# Altium PCB AX7103-2021-0629.PcbDoc (part 1 of 7) (continued)
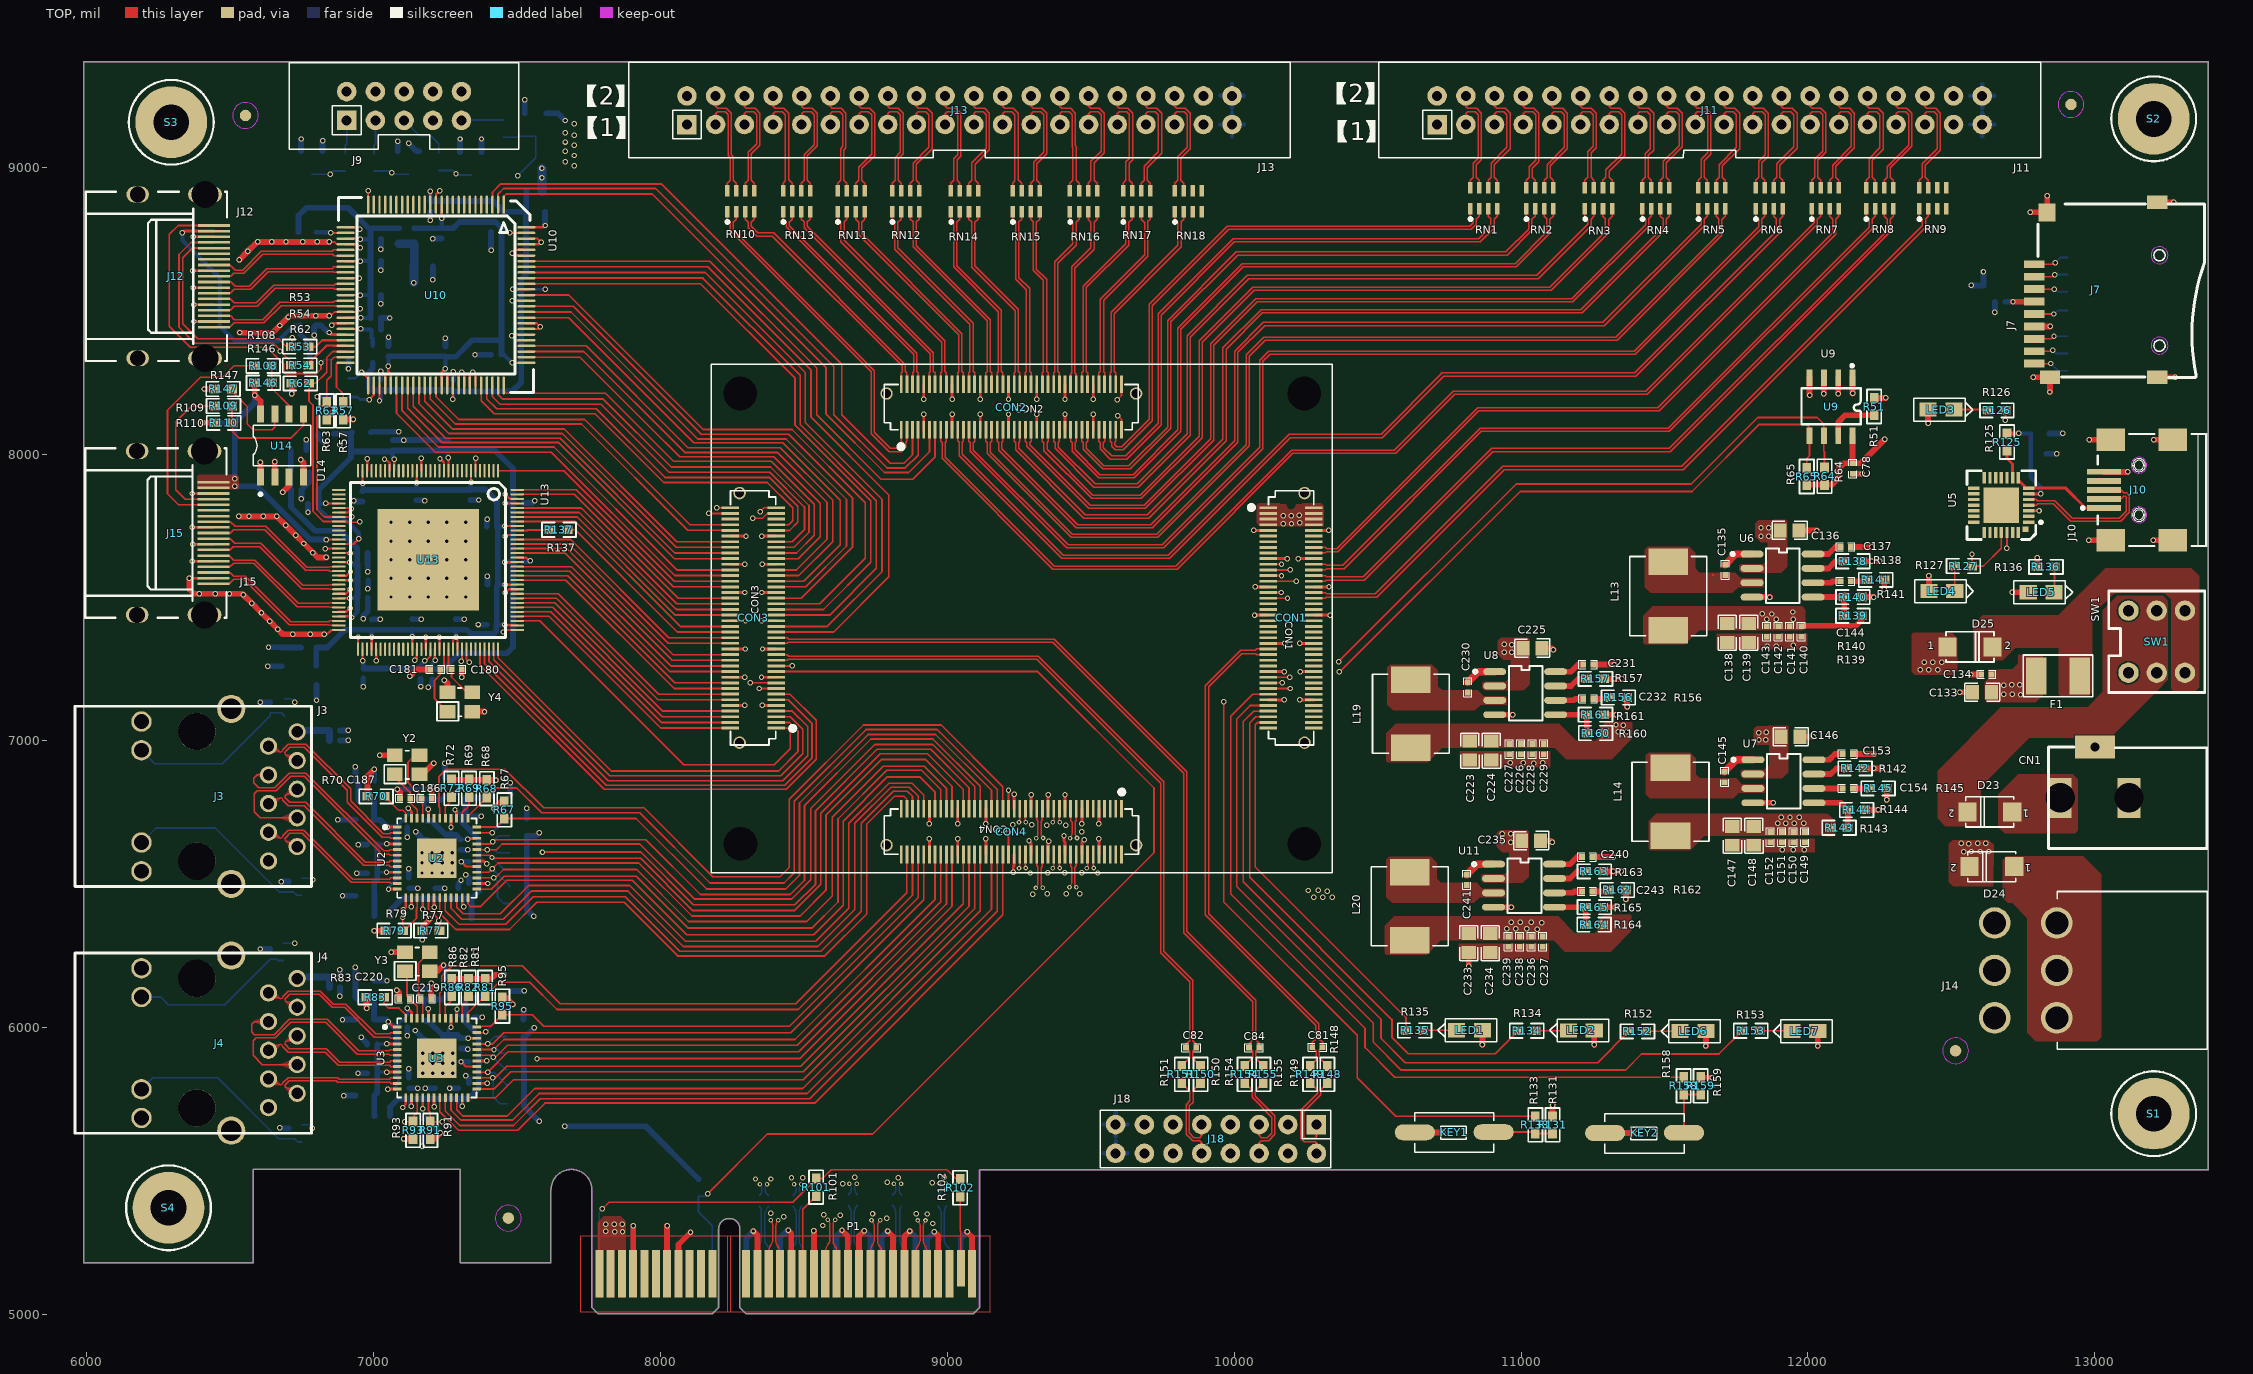
[diagram p0: TOP view]
## Components (designator, comment, footprint, x,y, rotation, side; value= is the part's Value field where it differs from the comment) (continued)
R52 "R_0_R0603_0R" R0603#2 6997.8,8347.46 r90 bottom
R53 "R_0_R0603_33R" R0603#1 6742.8,8374.46 r180 top
R54 "R_0_R0603_33R" R0603#1 6742.8,8309.46 r180 top
R55 "R_0_R0603_10K" R0603#2 6882.8,8199.46 r0 bottom
R56 "R_0_R0603_33R" R0603#2 6882.8,8264.46 r0 bottom
R57 "R_0_R0603_10K" R0603#1 6894.04,8150.85 r270 top
R58 "R_0_R0603_698R" R0603#2 6768.8,8773.32 r0 bottom
R59 "R_0_R0603_10K" R0603#2 6882.8,8329.46 r180 bottom
R60 "R_0_R0603_10K" R0603#2 6748.8,8365.6 r180 bottom
R61 "R_0_R0603_10K" R0603#2 6747.8,8304.1 r180 bottom
R62 "R_0_R0603_4.7K" R0603#1 6745.04,8246.85 r180 top
R63 "R_0_R0603_4.7K" R0603#1 6837.04,8150.85 r270 top
R64 "RESISTOR_R0603_4.7K" R0603#1 12058.04,7922.85 r90 top
R65 "RESISTOR_R0603_4.7K" R0603#1 11996.04,7921.85 r90 top
R66 "R_2_R0603_330R" R0603#2 6750.18,6491.85 r90 bottom
R67 "RESISTOR_R0603_1.5K" R0603#1 7456.04,6759.85 r90 top
R68 "RESISTOR_R0603_1.5K" R0603#1 7395.04,6833.85 r90 top
R69 "RESISTOR_R0603_4.7K" R0603#1 7333.04,6834.85 r270 top
R70 "RESISTOR_R0603_12.1K 1%" R0603#1 7009.04,6806.85 r0 top
R71 "R_2_R0603_330R" R0603#2 6690.18,7116.85 r90 bottom
R72 "RESISTOR_R0603_4.7K" R0603#1 7272.04,6834.85 r90 top
R73 "RESISTOR_R0603_4.7K" R0603#2 7504.04,6433.85 r180 bottom
R74 "RESISTOR_R0603_4.7K" R0603#2 7504.04,6492.85 r180 bottom
R75 "RESISTOR_R0603_4.7K" R0603#2 7504.04,6610.85 r180 bottom
R76 "RESISTOR_R0603_4.7K" R0603#2 7504.04,6551.85 r180 bottom
R77 "RESISTOR_R0603_4.7K" R0603#1 7200.04,6338.85 r180 top
R78 "RESISTOR_R0603_1K" R0603#2 7504.04,6728.85 r0 bottom
R79 "RESISTOR_R0603_1K" R0603#1 7072.04,6338.85 r0 top
R80 "RESISTOR_R0603_4.7K" R0603#2 7504.04,6669.85 r180 bottom
R81 "RESISTOR_R0603_1.5K" R0603#1 7389.04,6140.85 r90 top
R82 "RESISTOR_R0603_4.7K" R0603#1 7331.04,6140.85 r270 top
R83 "RESISTOR_R0603_12.1K 1%" R0603#1 7006.04,6106.85 r0 top
R84 "R_2_R0603_330R" R0603#2 6750.18,5631.85 r90 bottom
R85 "R_2_R0603_330R" R0603#2 6686.04,6264.85 r90 bottom
R86 "RESISTOR_R0603_4.7K" R0603#1 7273.04,6140.85 r90 top
R87 "RESISTOR_R0603_4.7K" R0603#2 7495.04,5794.85 r180 bottom
R88 "RESISTOR_R0603_4.7K" R0603#2 7495.04,5735.85 r180 bottom
R89 "RESISTOR_R0603_4.7K" R0603#2 7495.04,5853.85 r180 bottom
R90 "RESISTOR_R0603_4.7K" R0603#2 7494.04,5911.85 r180 bottom
R91 "RESISTOR_R0603_4.7K" R0603#1 7198.04,5642.85 r270 top
R92 "RESISTOR_R0603_1K" R0603#2 7493.04,6027.85 r0 bottom
R93 "RESISTOR_R0603_1K" R0603#1 7138.04,5642.85 r90 top
R94 "RESISTOR_R0603_4.7K" R0603#2 7493.04,5969.85 r180 bottom
R95 "RESISTOR_R0603_1.5K" R0603#1 7449.04,6075.85 r90 top
R101 "R_R0603_0R" R0603#1 8543.04,5444.85 r270 top
R102 "R_R0603_0R" R0603#1 9045.04,5442.85 r270 top
R103 "R_R0603_4.7K" R0603#2 8133.18,5442.85 r90 bottom
R104 "RESISTOR_R0603_10K" R0603#2 12935.04,8290.85 r180 bottom
R105 "RESISTOR_R0603_10K" R0603#2 12935.04,8410.85 r180 bottom
R106 "RESISTOR_R0603_10K" R0603#2 12935.04,8625.85 r180 bottom
R107 "RESISTOR_R0603_10K" R0603#2 12935.04,8685.85 r180 bottom
R108 "R_R0603_33R" R0603#1 6615.04,8307.85 r180 top
R109 "R_R0603_33R" R0603#1 6477.04,8167.85 r180 top
R110 "R_R0603_4.7K" R0603#1 6478.04,8108.85 r0 top
R111 "RESISTOR_R0603_10K" R0603#2 12935.04,8565.85 r180 bottom
R112 "RESISTOR_R0603_10K" R0603#2 12935.04,8350.85 r180 bottom
R113 "RESISTOR_R0603_10K" R0603#2 12935.04,8500.85 r180 bottom
R121 "RESISTOR_R0603_33R" R0603#2 6902.04,9016.85 r90 bottom
R122 "RESISTOR_R0603_33R" R0603#2 7002.04,9016.85 r90 bottom
R123 "RESISTOR_R0603_33R" R0603#2 7228.04,9018.85 r90 bottom
R124 "RESISTOR_R0603_33R" R0603#2 7452.04,9134.85 r90 bottom
R125 "RESISTOR_R0603_10K" R0603#1 12694.25,8042.18 r90 top
R126 "RESISTOR_R0603_510R" R0603#1 12658.55,8152.76 r180 top
R127 "RESISTOR_R0603_510R" R0603#1 12542.01,7609.98 r180 top
R131 "RESISTOR_R0603_10K" R0603#1 11110.04,5661.85 r90 top
R133 "RESISTOR_R0603_1K" R0603#1 11050.04,5661.85 r90 top
R134 "RESISTOR_R0603_220R" R0603#1 11020.04,5989.85 r0 top
R135 "RESISTOR_R0603_220R" R0603#1 10629.04,5990.85 r0 top
R136 "RESISTOR_R0603_220R" R0603#1 12829.88,7606.86 r0 top
R137 "R_R0603_33R" R0603#1 7646.54,7736.35 r180 top
R138 "RESISTOR_R0603_47K" R0603#1 12156.6,7626.62 r180 top
R139 "RESISTOR_R0603_47K" R0603#1 12156.6,7436.62 r180 top
R140 "RESISTOR_R0603_10K/1%" R0603#1 12156.6,7501.62 r0 top
R141 "RESISTOR_R0603_2.2K" R0603#1 12236.6,7561.62 r0 top
R142 "RESISTOR_R0603_47K" R0603#1 12164.6,6904.62 r180 top
R143 "RESISTOR_R0603_26.1K/1%" R0603#1 12108.6,6697.62 r0 top
R144 "RESISTOR_R0603_10K/1%" R0603#1 12169.6,6759.62 r0 top
R145 "RESISTOR_R0603_2.2K" R0603#1 12244.6,6834.62 r0 top
R146 "R_R0603_4.7K" R0603#1 6616.04,8248.85 r0 top
R147 "R_R0603_10K" R0603#1 6476.04,8226.85 r0 top
R148 "R_R0603_49.9" R0603#1 10325.04,5837.85 r90 top
R149 "R_R0603_49.9" R0603#1 10265.04,5837.85 r90 top
R150 "R_R0603_49.9" R0603#1 9883.04,5837.85 r90 top
R151 "R_R0603_49.9" R0603#1 9818.04,5837.85 r90 top
R152 "RESISTOR_R0603_220R" R0603#1 11406.04,5987.85 r0 top
R153 "RESISTOR_R0603_220R" R0603#1 11801.04,5989.85 r0 top
R154 "R_R0603_49.9" R0603#1 10037.04,5837.85 r90 top
R155 "R_R0603_49.9" R0603#1 10102.04,5837.85 r90 top
R156 "RESISTOR_R0603_2.2K" R0603#1 11339.6,7151.62 r0 top
R157 "RESISTOR_R0603_47K" R0603#1 11259.6,7216.62 r180 top
R158 "RESISTOR_R0603_1K" R0603#1 11567.04,5797.85 r90 top
R159 "RESISTOR_R0603_10K" R0603#1 11626.04,5797.85 r90 top
R160 "RESISTOR_R0603_9.53K/1%" R0603#1 11260.04,7027.85 r180 top
R161 "RESISTOR_R0603_10K/1%" R0603#1 11259.6,7091.62 r0 top
R162 "RESISTOR_R0603_2.2K" R0603#1 11335.6,6480.62 r0 top
R163 "RESISTOR_R0603_47K" R0603#1 11255.6,6545.62 r180 top
R164 "RESISTOR_R0603_3.09K/1%" R0603#1 11255.04,6359.85 r180 top
R165 "RESISTOR_R0603_10K/1%" R0603#1 11255.6,6420.62 r0 top
RN1 "RESARR_IS_4/SM_RN-8P_33R" RN-8P 10870.04,8891.85 r90 top
RN2 "RESARR_IS_4/SM_RN-8P_33R" RN-8P 11065.04,8891.85 r90 top
RN3 "RESARR_IS_4/SM_RN-8P_33R" RN-8P 11270.04,8891.85 r90 top
RN4 "RESARR_IS_4/SM_RN-8P_33R" RN-8P 11470.04,8891.85 r90 top
RN5 "RESARR_IS_4/SM_RN-8P_33R" RN-8P 11665.04,8891.85 r90 top
RN6 "RESARR_IS_4/SM_RN-8P_33R" RN-8P 11865.04,8891.85 r90 top
RN7 "RESARR_IS_4/SM_RN-8P_33R" RN-8P 12060.04,8891.85 r90 top
RN8 "RESARR_IS_4/SM_RN-8P_33R" RN-8P 12250.04,8891.85 r90 top
RN9 "RESARR_IS_4/SM_RN-8P_33R" RN-8P 12435.04,8891.85 r90 top
RN10 "RESARR_IS_4/SM_RN-8P_33R" RN-8P 8280.04,8881.85 r90 top
RN11 "RESARR_IS_4/SM_RN-8P_33R" RN-8P 8665.04,8881.85 r90 top
RN12 "RESARR_IS_4/SM_RN-8P_33R" RN-8P 8855.04,8881.85 r90 top
RN13 "RESARR_IS_4/SM_RN-8P_33R" RN-8P 8475.04,8881.85 r90 top
RN14 "RESARR_IS_4/SM_RN-8P_33R" RN-8P 9060.04,8881.85 r90 top
RN15 "RESARR_IS_4/SM_RN-8P_33R" RN-8P 9275.04,8881.85 r90 top
RN16 "RESARR_IS_4/SM_RN-8P_33R" RN-8P 9475.04,8881.85 r90 top
RN17 "RESARR_IS_4/SM_RN-8P_33R" RN-8P 9660.04,8881.85 r90 top
RN18 "RESARR_IS_4/SM_RN-8P_33R" RN-8P 9840.04,8881.85 r90 top
S1 "SCREW_0_MH_250H125_SCREW_2.9" MH_250H125 13205.55,5700.85 r0 top
S2 "SCREW_0_MH_250H125_SCREW_2.9" MH_250H125 13205.55,9168.7 r0 top
S3 "SCREW_0_MH_250H125_SCREW_2.9" MH_250H125 6295.04,9156.85 r0 top
S4 "SCREW_0_MH_250H125_SCREW_2.9" MH_250H125 6285.32,5372.79 r0 top
SW1 "SENS59150-SPST_1_POWER_SW_POWER" POWER_SW 13215.85,7346.09 r90 top
U2 "KS8995M_4_QFN_7X7_KSZ9031RNX" QFN_7X7 7220.97,6591.83 r270 top
U3 "KS8995M_4_QFN_7X7_KSZ9031RNX" QFN_7X7 7220.97,5894.83 r270 top
U5 "CP2102_2_QFN-28_CP2102-GM" QFN-28 12674.25,7822.18 r180 top
U6 "MP2305_MP1482-SOIC8_MP1482DS" MP1482-SOIC8 11911.6,7576.62 r270 top
U7 "MP2305_MP1482-SOIC8_MP1482DS" MP1482-SOIC8 11914.6,6859.62 r270 top
U8 "MP2305_MP1482-SOIC8_MP1482DS" MP1482-SOIC8 11014.6,7166.62 r270 top
U9 "ATSHA204_0_8S1_SOIC8_24LC04" 8S1_SOIC8 12080.42,8165.67 r0 top
U10 "SII9134_0_QFP-100_SII9134" QFP-100 7217.8,8554.46 r270 top
U11 "MP2305_MP1482-SOIC8_MP1482DS" MP1482-SOIC8 11010.6,6495.62 r270 top
U13 "SII9013/9011_5_QFP-128HPAD_SII9" QFP-128HPAD 7190.38,7631.31 r270 top
U14 "M24CO2 PDIP8_SO8_24C02" SO8 6680.04,8029.85 r90 top
Y2 "X3_0_SX2-1205_25MHZ" SX2-1205 7117.04,6916.85 r0 top
Y3 "X3_0_SX2-1205_25MHZ" SX2-1205 7153.04,6230.85 r0 top
Y4 "X3_0_SX2-1205_27MHZ" SX2-1205 7301.04,7135.85 r0 top

## Footprints (in the part's own frame and the unit in brackets; to place one, negate y for a bottom-side part, rotate by r counter-clockwise, add the part's x,y. Pads: shape width x height; smd on the part's side, far side on the other; paste and mask are expansions set on the pad)
8S1_SOIC8 [mil] "8S1_SOIC8"
  rect 20.4x57.4 smd: 1(75.29,100.96) 2(25.29,100.96) 3(-24.71,100.96) 4(-74.71,100.96) 5(-74.71,-102.18) 6(-24.71,-102.18) 7(25.29,-102.18) 8(75.29,-102.18)
  silkscreen extent -103,-61 104,147, body extent -99,-133 99,133, height 150
AXK680337YG [mil] "AXK680337YG"
  rect 9.84x61.02 smd: 1(-383.86,-79.72) 2(-383.86,79.72) 3(-364.17,-79.72) 4(-364.17,79.72) 5(-344.49,-79.72) 6(-344.49,79.72) 7(-324.8,-79.72) 8(-324.8,79.72) 9(-305.12,-79.72) 10(-305.12,79.72) 11(-285.43,-79.72) 12(-285.43,79.72) 13(-265.75,-79.72) 14(-265.75,79.72) 15(-246.06,-79.72) 16(-246.06,79.72) 17(-226.38,-79.72) 18(-226.38,79.72) 19(-206.69,-79.72) 20(-206.69,79.72) 21(-187.01,-79.72) 22(-187.01,79.72) 23(-167.32,-79.72) 24(-167.32,79.72) 25(-147.64,-79.72) 26(-147.64,79.72) 27(-127.95,-79.72) 28(-127.95,79.72) 29(-108.27,-79.72) 30(-108.27,79.72) 31(-88.58,-79.72) 32(-88.58,79.72) 33(-68.9,-79.72) 34(-68.9,79.72) 35(-49.21,-79.72) 36(-49.21,79.72) 37(-29.53,-79.72) 38(-29.53,79.72) 39(-9.84,-79.72) 40(-9.84,79.72) 41(9.84,-79.72) 42(9.84,79.72) 43(29.53,-79.72) 44(29.53,79.72) 45(49.21,-79.72) 46(49.21,79.72) 47(68.9,-79.72) 48(68.9,79.72) 49(88.58,-79.72) 50(88.58,79.72) 51(108.27,-79.72) 52(108.27,79.72) 53(127.95,-79.72) 54(127.95,79.72) 55(147.64,-79.72) 56(147.64,79.72) 57(167.32,-79.72) 58(167.32,79.72) 59(187.01,-79.72) 60(187.01,79.72) 61(206.69,-79.72) 62(206.69,79.72) 63(226.38,-79.72) 64(226.38,79.72) 65(246.06,-79.72) 66(246.06,79.72) 67(265.75,-79.72) 68(265.75,79.72) 69(285.43,-79.72) 70(285.43,79.72) 71(305.12,-79.72) 72(305.12,79.72) 73(324.8,-79.72) 74(324.8,79.72) 75(344.49,-79.72) 76(344.49,79.72) 77(364.17,-79.72) 78(364.17,79.72) 79(383.86,-79.72) 80(383.86,79.72)
  round 43.31 hole 31.5: 81(-435.04,47.24) 82(435.04,47.24)
  silkscreen extent -443,-146 443,79, body extent -462,-85 462,85, height 150
C0402#1 [mil] "C0402"
  rect 20x20 smd: 1(18,0) 2(-18,0)
  silkscreen extent -32,-14 33,14
C0402#2 [mil] "C0402"
  rect 20x20 smd: 1(-18,0) 2(18,0)
  silkscreen extent -33,-14 32,14, body extent -32,-14 32,14, height 150
C0603 [mil] "C0603"
  rect 30x30 smd: 1(27.5,-1) 2(-26.5,-1)
  silkscreen extent -50,-22 50,22, body extent -50,-22 50,22, height 150
C0805#1 [mil] "C0805"
  rect 45x50 smd: 1(33,-2) 2(-33,-2)
  silkscreen extent -61,-34 61,29, body extent -61,-31 61,31, height 150
C0805#2 [mil] "C0805"
  rect 45x50 smd: 1(-33,2) 2(33,2)
  silkscreen extent -61,-29 61,34, body extent -61,-31 61,31, height 150
CN1-DCJACK [mil] "CN1-DCJACK"
  rect 140x80 hole 102.36: 1(-35.58,-5) 3(-35.58,235.16)
  rect 80x140 hole 31.5: 2(141.59,113)
  silkscreen extent -212,-276 142,276, body extent -212,-276 212,276, height 150
CON_MOL_5569_6P [mil] "CON_MOL_5569_6P"
  round 110 hole 80: 1(-86.73,120.82) 2(-86.73,-44.53) 3(-86.73,-209.88) 4(-303.27,120.82) 5(-303.27,-44.53) 6(-303.27,-209.88)
  silkscreen extent -12954,-6245 438,296, body extent -145,295 -47,345, height 150
DO-214AC [mil] "DO-214AC"
  rect 63x66 smd: 1(-78.35,0) 2(78.35,0)
  silkscreen extent -84,-52 84,52, body extent -117,-60 117,60, height 150
FUSE_1812 [mil] "FUSE_1812"
  rect 72x128 smd: 1(-76,0) 2(76,0)
  silkscreen extent -121,-73 121,73, body extent -121,-73 121,73, height 150
GE_RJ45 [mil] "GE_RJ45"
  round 70.87 hole 51.18: 11(180.41,-260.83) 12(180.41,-160.83) 13(180.41,160.82) 14(180.41,260.82)
  round 98 hole 70.87: 15(-132.58,-305.12) 16(-132.58,305.11)
  round 129.92 hole 129.92: 17(-12.5,-225.99) 18(-12.5,225.98)
  round 60 hole 40: P1(-362.5,-225.01) P2(-262.5,-175.01) P3(-362.5,-125.01) P4(-262.5,-75.01) P5(-362.5,-25.01) P6(-262.5,24.99) P7(-362.5,74.99) P8(-262.5,124.99) P9(-362.5,174.99) P10(-262.5,224.99)
  silkscreen extent -413,-314 413,314, body extent -413,-354 413,354, height 150
HDMI_A_TYPE [mil] "HDMI_A_TYPE"
  rect 110.24x9 smd: 1(195.87,-177.16) 2(195.87,-157.48) 3(195.87,-137.79) 4(195.87,-118.11) 5(195.87,-98.42) 6(195.87,-78.74) 7(195.87,-59.05) 8(195.87,-39.37) 9(195.87,-19.68) 10(195.87,0) 11(195.87,19.69) 12(195.87,39.37) 13(195.87,59.06) 14(195.87,78.74) 15(195.87,98.43) 16(195.87,118.11) 17(195.87,137.8) 18(195.87,157.48) 19(195.87,177.17)
  oval 118.11x55.12 hole 94.49: 20(164.37,-285.43) 21(164.37,285.44)
  oval 78.74x55.12 hole 55.12: 22(-70.28,-285.43) 23(-70.28,285.44)
  silkscreen extent -251,-295 241,295
IDC16-DTM1-A [mil] "IDC16-DTM1-A"
  rect 68x68 hole 35: 1(-357,-50)
  round 68 hole 35: 2(-357,50) 3(-257,-50) 4(-257,50) 5(-157,-50) 6(-157,50) 7(-57,-50) 8(-57,50) 9(43,-50) 10(43,50) 11(143,-50) 12(143,50) 13(243,-50) 14(243,50) 15(343,-50) 16(343,50)
  silkscreen extent -407,-100 397,100, body extent -391,-84 391,84, height 150
IDC-40J [mil] "IDC-40J"
  rect 68x68 hole 35: 1(-950,-50)
  round 68 hole 35: 2(-950,50) 3(-850,-50) 4(-850,50) 5(-750,-50) 6(-750,50) 7(-650,-50) 8(-650,50) 9(-550,-50) 10(-550,50) 11(-450,-50) 12(-450,50) 13(-350,-50) 14(-350,50) 15(-250,-50) 16(-250,50) 17(-150,-50) 18(-150,50) 19(-50,-50) 20(-50,50) 21(50,-50) 22(50,50) 23(150,-50) 24(150,50) 25(250,-50) 26(250,50) 27(350,-50) 28(350,50) 29(450,-50) 30(450,50) 31(550,-50) 32(550,50) 33(650,-50) 34(650,50) 35(750,-50) 36(750,50) 37(850,-50) 38(850,50) 39(950,-50) 40(950,50)
  silkscreen extent -1154,-167 1154,167
JTAG-10 [mm] "JTAG-10"
  rect 1.73x1.73 hole 0.89: 1(-5.08,-1.27)
  round 1.73 hole 0.89: 2(-5.08,1.27) 3(-2.54,-1.27) 4(-2.54,1.27) 5(0,-1.27) 6(0,1.27) 7(2.54,-1.27) 8(2.54,1.27) 9(5.08,-1.27) 10(5.08,1.27)
  silkscreen extent -10.16,-3.81 10.16,3.81
KEY735SO [mil] "KEY735SO"
  oval 140x55.12 smd: 1(-137.5,-1.9) 2(137.5,-0.9)
  silkscreen extent -138,-69 138,69, body extent -208,-69 208,69, height 150
L0603 [mil] "L0603"
  rect 30x30 smd: 1(27.5,-1) 2(-26.5,-1)
  silkscreen extent -50,-22 50,22, body extent -50,-22 50,22, height 150
LEDSO [mil] "LEDSO"
  rect 60x50 smd: 1(52.5,0) 2(-37.5,0)
  silkscreen extent -102,-40 102,40
MH_250H125 [mil] "MH_250H125"
  round 250 hole 125: 1(0,0)
  silkscreen extent -148,-148 148,148, body extent -165,-165 165,165, height 150
MICRO_SD [mil] "MICRO_SD"
  rect 27.56x70.87 smd: 1(92,280.5) 2(48.69,280.5) 3(5.39,280.5) 4(-37.92,280.5) 5(-81.23,280.5) 6(-124.54,280.5) 7(-167.84,280.5) 8(-211.15,280.5) 9(-254.46,280.5)
  rect 62.99x59.06 smd: 10(273.1,235.22)
  rect 47.24x70.87 smd: 11(-301.7,225.38) 12(-301.7,-148.63) 13(308.54,-148.63)
  silkscreen extent -8570,-314 302,13069, body extent -342,-326 342,326, height 150
MINIUSBB [mm] "MINIUSBB"
  rect 3x0.5 smd: 1(2.925,1.6) 2(2.925,0.8) 3(2.925,0) 4(2.925,-0.8) 5(2.925,-1.6)
  rect 2.5x2 smd: 6(2.325,-4.45) 7(-3.175,-4.45) 8(2.325,4.45) 9(-3.175,4.45)
  Multi-Layer keep-out circle w0.025: c-0.175,2.2 r0.704
  Multi-Layer keep-out circle w0.025: c-0.175,-2.2 r0.704
  silkscreen extent -6.12,-4.95 4.92,4.95, body extent -4.42,-5.45 4.43,5.45, height 3.81
MP1482-SOIC8 [mil] "MP1482-SOIC8"
  oval 24x80 smd: 1(-75,-106.3) 2(-25,-106.3) 3(25,-106.3) 4(75,-106.3) 5(75,106.3) 6(25,106.3) 7(-25,106.3) 8(-75,106.3)
  silkscreen extent -95,-180 95,60, body extent -115,-118 115,118, height 150
PCIE_4LANE_EDGE [mil] "PCIE_4LANE_EDGE"
  rect 28x126 smd far side: A1(-649.6,-87.74)
  rect 28x165 smd far side: A2(-610.23,-107.24) A3(-570.86,-107.24) A4(-531.49,-107.24) A5(-492.12,-107.24) A6(-452.75,-107.24) A7(-413.38,-107.24) A8(-374.01,-107.24) A9(-334.64,-107.24) A10(-295.27,-107.24) A11(-255.9,-107.24) A12(-137.79,-107.24) A13(-98.42,-107.24) A14(-59.05,-107.24) A15(-19.68,-107.24) A16(19.69,-107.24) A17(59.06,-107.24) A18(98.43,-107.24) A19(137.8,-107.24) A20(177.17,-107.24) A21(216.54,-107.24) A22(255.91,-107.24) A23(295.28,-107.24) A24(334.65,-107.24) A25(374.02,-107.24) A26(413.39,-107.24) A27(452.76,-107.24) A28(492.13,-107.24) A29(531.5,-107.24) A30(570.87,-107.24) A31(610.24,-107.24) A32(649.61,-107.24)
  rect 28x165 smd: B1(-649.6,-107.24) B2(-610.23,-107.24) B3(-570.86,-107.24) B4(-531.49,-107.24) B5(-492.12,-107.24) B6(-452.75,-107.24) B7(-413.38,-107.24) B8(-374.01,-107.24) B9(-334.64,-107.24) B10(-295.27,-107.24) B11(-255.9,-107.24) B12(-137.79,-107.24) B13(-98.42,-107.24) B14(-59.05,-107.24) B15(-19.68,-107.24) B16(19.69,-107.24) B17(59.06,-107.24) B18(98.43,-107.24) B19(137.8,-107.24) B20(177.17,-107.24) B21(216.54,-107.24) B22(255.91,-107.24) B23(295.28,-107.24) B24(334.65,-107.24) B25(374.02,-107.24) B26(413.39,-107.24) B27(452.76,-107.24) B28(492.13,-107.24) B29(531.5,-107.24) B30(570.87,-107.24) B32(649.61,-107.24)
  rect 28x126 smd: B31(610.24,-87.74)
  Multi-Layer lines w1: -713.6,-239.74 -713.6,25.26 -191.9,25.26 -191.9,-239.74 -713.6,-239.74 ; -201.79,-239.74 -201.79,25.26 713.61,25.26 713.61,-239.74 -201.79,-239.74
  body extent -875,-257 875,257, height 150
POWER_SW [mm] "POWER_SW"
  round 1.8 hole 1: 1(-2.75,2.5) 2(-2.75,0) 3(-2.75,-2.5) 4(2.75,2.5) 5(2.75,0) 6(2.75,-2.5)
  silkscreen extent -4.5,-4.25 4.5,4.25, body extent -4.5,-4.25 4.5,4.25, height 3.81
QFN-28 [mm] "QFN-28"
  rect 1x0.3 smd: 1(-2.43,1.5) 2(-2.43,1) 3(-2.43,0.5) 4(-2.43,0) 5(-2.43,-0.5) 6(-2.43,-1) 7(-2.43,-1.5) 15(2.43,-1.5) 16(2.43,-1) 17(2.43,-0.5) 18(2.43,0) 19(2.43,0.5) 20(2.43,1) 21(2.43,1.5)
  rect 0.3x1 smd: 8(-1.5,-2.43) 9(-1,-2.43) 10(-0.5,-2.43) 11(0,-2.43) 12(0.5,-2.43) 13(1,-2.43) 14(1.5,-2.43) 22(1.5,2.43) 23(1,2.43) 24(0.5,2.43) 25(0,2.43) 26(-0.5,2.43) 27(-1,2.43) 28(-1.5,2.43)
  rect 3.15x3.15 smd: 29(0,0)
  rect 0.508x0.508 smd: 30(-2.134,2.134)
  silkscreen extent -3.63,-3.05 3.05,3.05, body extent -3.05,-3.05 3.05,3.05, height 3.81
QFN_7X7 [mil] "QFN_7X7"
  rect 9.84x29.68 smd: 1(-108.27,-138.86) 2(-88.58,-138.86) 3(-68.9,-138.86) 4(-49.21,-138.86) 5(-29.53,-138.86) 6(-9.84,-138.86) 7(9.84,-138.86) 8(29.53,-138.86) 9(49.21,-138.86) 10(68.9,-138.86) 11(88.58,-138.86) 12(108.27,-138.86) 25(108.27,138.86) 26(88.58,138.86) 27(68.9,138.86) 28(49.21,138.86) 29(29.53,138.86) 30(9.84,138.86) 31(-9.84,138.86) 32(-29.53,138.86) 33(-49.21,138.86) 34(-68.9,138.86) 35(-88.58,138.86) 36(-108.27,138.86)
  rect 29.68x9.84 smd: 13(138.86,-108.27) 14(138.86,-88.58) 15(138.86,-68.9) 16(138.86,-49.21) 17(138.86,-29.53) 18(138.86,-9.84) 19(138.86,9.84) 20(138.86,29.53) 21(138.86,49.21) 22(138.86,68.9) 23(138.86,88.58) 24(138.86,108.27) 37(-138.86,108.27) 38(-138.86,88.58) 39(-138.86,68.9) 40(-138.86,49.21) 41(-138.86,29.53) 42(-138.86,9.84) 43(-138.86,-9.84) 44(-138.86,-29.53) 45(-138.86,-49.21) 46(-138.86,-68.9) 47(-138.86,-88.58) 48(-138.86,-108.27)
  rect 137.8x137.8 smd: 49(0,0)
  silkscreen extent -138,-187 138,138, body extent -151,-151 151,151, height 150
QFP-100 [mm] "QFP-100"
  oval 1.6x0.22 smd: 1(-8,6) 2(-8,5.5) 3(-8,5) 4(-8,4.5) 5(-8,4) 6(-8,3.5) 7(-8,3) 8(-8,2.5) 9(-8,2) 10(-8,1.5) 11(-8,1) 12(-8,0.5) 13(-8,0) 14(-8,-0.5) 15(-8,-1) 16(-8,-1.5) 17(-8,-2) 18(-8,-2.5) 19(-8,-3) 20(-8,-3.5) 21(-8,-4) 22(-8,-4.5) 23(-8,-5) 24(-8,-5.5) 25(-8,-6) 51(8,-6) 52(8,-5.5) 53(8,-5) 54(8,-4.5) 55(8,-4) 56(8,-3.5) 57(8,-3) 58(8,-2.5) 59(8,-2) 60(8,-1.5) 61(8,-1) 62(8,-0.5) 63(8,0) 64(8,0.5) 65(8,1) 66(8,1.5) 67(8,2) 68(8,2.5) 69(8,3) 70(8,3.5) 71(8,4) 72(8,4.5) 73(8,5) 74(8,5.5) 75(8,6)
  oval 0.22x1.6 smd: 26(-6,-8) 27(-5.5,-8) 28(-5,-8) 29(-4.5,-8) 30(-4,-8) 31(-3.5,-8) 32(-3,-8) 33(-2.5,-8) 34(-2,-8) 35(-1.5,-8) 36(-1,-8) 37(-0.5,-8) 38(0,-8) 39(0.5,-8) 40(1,-8) 41(1.5,-8) 42(2,-8) 43(2.5,-8) 44(3,-8) 45(3.5,-8) 46(4,-8) 47(4.5,-8) 48(5,-8) 49(5.5,-8) 50(6,-8) 76(6,8) 77(5.5,8) 78(5,8) 79(4.5,8) 80(4,8) 81(3.5,8) 82(3,8) 83(2.5,8) 84(2,8) 85(1.5,8) 86(1,8) 87(0.5,8) 88(0,8) 89(-0.5,8) 90(-1,8) 91(-1.5,8) 92(-2,8) 93(-2.5,8) 94(-3,8) 95(-3.5,8) 96(-4,8) 97(-4.5,8) 98(-5,8) 99(-5.5,8) 100(-6,8)
  silkscreen extent -8.64,-8.64 8.64,8.64, body extent -8.8,-8.64 8.8,8.64, height 3.81
QFP-128HPAD [mm] "QFP-128HPAD"
  oval 1.2x0.18 smd: 1(-7.9,6.2) 2(-7.9,5.8) 3(-7.9,5.4) 4(-7.9,5) 5(-7.9,4.6) 6(-7.9,4.2) 7(-7.9,3.8) 8(-7.9,3.4) 9(-7.9,3) 10(-7.9,2.6) 11(-7.9,2.2) 12(-7.9,1.8) 13(-7.9,1.4) 14(-7.9,1) 15(-7.9,0.6) 16(-7.9,0.2) 17(-7.9,-0.2) 18(-7.9,-0.6) 19(-7.9,-1) 20(-7.9,-1.4) 21(-7.9,-1.8) 22(-7.9,-2.2) 23(-7.9,-2.6) 24(-7.9,-3) 25(-7.9,-3.4) 26(-7.9,-3.8) 27(-7.9,-4.2) 28(-7.9,-4.6) 29(-7.9,-5) 30(-7.9,-5.4) 31(-7.9,-5.8) 32(-7.9,-6.2) 65(7.9,-6.2) 66(7.9,-5.8) 67(7.9,-5.4) 68(7.9,-5) 69(7.9,-4.6) 70(7.9,-4.2) 71(7.9,-3.8) 72(7.9,-3.4) 73(7.9,-3) 74(7.9,-2.6) 75(7.9,-2.2) 76(7.9,-1.8) 77(7.9,-1.4) 78(7.9,-1) 79(7.9,-0.6) 80(7.9,-0.2) 81(7.9,0.2) 82(7.9,0.6) 83(7.9,1) 84(7.9,1.4) 85(7.9,1.8) 86(7.9,2.2) 87(7.9,2.6) 88(7.9,3) 89(7.9,3.4) 90(7.9,3.8) 91(7.9,4.2) 92(7.9,4.6) 93(7.9,5) 94(7.9,5.4) 95(7.9,5.8) 96(7.9,6.2)
  oval 0.18x1.2 smd: 33(-6.2,-7.9) 34(-5.8,-7.9) 35(-5.4,-7.9) 36(-5,-7.9) 37(-4.6,-7.9) 38(-4.2,-7.9) 39(-3.8,-7.9) 40(-3.4,-7.9) 41(-3,-7.9) 42(-2.6,-7.9) 43(-2.2,-7.9) 44(-1.8,-7.9) 45(-1.4,-7.9) 46(-1,-7.9) 47(-0.6,-7.9) 48(-0.2,-7.9) 49(0.2,-7.9) 50(0.6,-7.9) 51(1,-7.9) 52(1.4,-7.9) 53(1.8,-7.9) 54(2.2,-7.9) 55(2.6,-7.9) 56(3,-7.9) 57(3.4,-7.9) 58(3.8,-7.9) 59(4.2,-7.9) 60(4.6,-7.9) 61(5,-7.9) 62(5.4,-7.9) 63(5.8,-7.9) 64(6.2,-7.9) 97(6.2,7.9) 98(5.8,7.9) 99(5.4,7.9) 100(5,7.9) 101(4.6,7.9) 102(4.2,7.9) 103(3.8,7.9) 104(3.4,7.9) 105(3,7.9) 106(2.6,7.9) 107(2.2,7.9) 108(1.8,7.9) 109(1.4,7.9) 110(1,7.9) 111(0.6,7.9) 112(0.2,7.9) 113(-0.2,7.9) 114(-0.6,7.9) 115(-1,7.9) 116(-1.4,7.9) 117(-1.8,7.9) 118(-2.2,7.9) 119(-2.6,7.9) 120(-3,7.9) 121(-3.4,7.9) 122(-3.8,7.9) 123(-4.2,7.9) 124(-4.6,7.9) 125(-5,7.9) 126(-5.4,7.9) 127(-5.8,7.9) 128(-6.2,7.9)
  rect 9x9 smd: 129(0,0)
  silkscreen extent -6.86,-6.86 6.86,6.86, body extent -8.5,-7.99 8.5,7.99, height 3.81
R0603#1 [mil] "R0603"
  rect 35x30 smd: 1(-30,0.14) 2(30,0.14)
  silkscreen extent -59,-25 59,25, body extent -59,-25 59,25, height 150
R0603#2 [mil] "R0603"
  rect 35x30 smd: 1(30,-0.14) 2(-30,-0.14)
  silkscreen extent -59,-25 59,25, body extent -59,-25 59,25, height 150
RN-8P [mm] "RN-8P"
  rect 1x0.4 smd: 1(-0.929,1.2) 2(-0.929,0.4) 3(-0.929,-0.4) 4(-0.929,-1.2) 5(0.929,-1.2) 6(0.929,-0.4) 7(0.929,0.4) 8(0.929,1.2)
  silkscreen extent -1.97,1.04 -1.71,1.3, body extent -1.43,-1.4 1.43,1.4, height 3.81
SMTDR75-100M [mil] "SMTDR75-100M"
  rect 92.5x137.8 smd: 1(-117.59,1.5) 2(120.59,1.5)
  silkscreen extent -136,-132 139,135, body extent -171,-138 171,138, height 150
SO8 [mil] "SO8"
  rect 60x24 smd: 1(-110,74) 2(-110,24) 3(-110,-26) 4(-110,-76) 5(110,-76) 6(110,-26) 7(110,24) 8(110,74)
  silkscreen extent -175,-101 70,99, body extent -140,-101 140,101, height 150
SOT23 [mm] "SOT23"
  rect 0.91x0.91 smd: 1(0.95,1.015) 2(-0.95,1.015)
  rect 0.91x1.27 smd: 3(-0.02,-1.015)
  silkscreen extent -1.39,-1.12 1.43,0.33, body extent -1.41,-1.47 1.41,1.47, height 3.81
SX2-1205 [mil] "SX2-1205"
  rect 55x47 smd: 1(-43.31,-33.46) 2(43.31,-33.46) 3(43.31,33.46) 4(-43.31,33.46)
  silkscreen extent -80,-65 7,49, body extent -78,-64 78,64, height 150

## Free pads (board coordinates)
  round 40 smd: 1(6553.9,9180.51) 1(7470.04,5336.85) 1(12514.74,5920.15) 1(12917.04,9218.85)
  round 60 smd far side: 1(6560.9,9201.51) 1(7450.04,5341.85) 1(12543.74,5918.15) 1(12926.04,9215.85)
  rect 0x0 hole 118.11: 1(8278.51,8211.75) 1(8279.51,6641.75) 1(10244.51,6641.75) 1(10244.51,8211.75)

## Via types
v1: diameter 19, hole 12, TOP to BOTTOM, 688 vias
v2: diameter 16, hole 8, TOP to BOTTOM, 36 vias

## Nets (pads, with @x,y where several pads share a name; then routed paths per layer and width w, separated by ;. In a path a pad name is that pad's centre, name@x,y a point inside that pad or via, vN(x,y) a via of type N, cw(c..) or ccw(c..) an arc to the next point about the centre after c; other vN are vias at no path point)
1V8_VCC: C172.1 C173.1 C174.1 C175.1 C176.1 C177.1 C178.1 C179.1 C184.1 L16.2 U13.12 U13.24 U13.36 U13.45 U13.66 U13.81 U13.82 U13.112 U13.125 | length 3000.9
  TOP w8: v1(6833.59,7828.17) U13.36@6879.36,7828.17 ; U13.45@6879.36,7686.44 6930.78,7686.44 v1(6948.8,7704.46) ; v1(6962.03,7279.73) U13.66@6962.03,7320.3 ; U13.24@7072.27,7942.34 v1(7072.27,7982.49) ; v1(7178.3,7278.96) 7181.82,7278.96 7198.25,7295.39 U13.81@7198.25,7320.3 ; U13.82@7214,7320.3 7214,7282.89 v1(7215.04,7281.85) ; v1(7260.3,7987.96) 7260.3,7986.46 7261.25,7985.51 U13.12@7261.25,7942.34 ; v1(7457.3,7623.45) U13.112@7501.4,7623.45 ; v1(7459.3,7828.17) U13.125@7501.4,7828.17
  BOTTOM w12: C177.1@7205.04,7251.35 7205.04,7271.85 v1(7215.04,7281.85)
  BOTTOM w15: v1(6833.59,7828.17) 6831.27,7825.85 C179.1@6808.04,7825.85 6808.04,7811.85 6838.93,7780.96 6891.8,7780.96 6948.8,7723.96 v1(6948.8,7704.46) ; v1(6962.03,7279.73) 6964.54,7277.22 C175.1@6964.54,7253.85 ; C174.1@7067.54,8013.35 7067.54,7987.22 v1(7072.27,7982.49) ; C173.1@7164.04,7252.35 7164.04,7264.7 v1(7178.3,7278.96) ; C176.1@7259.54,8012.85 7259.54,7988.72 v1(7260.3,7987.96) ; v1(7457.3,7623.45) 7458.2,7624.35 C178.1@7484.04,7624.35 ; v1(7459.3,7828.17) 7459.48,7828.35 C172.1@7486.54,7828.35
  BOTTOM w20: C179.1@6808.04,7825.85 6808.04,7874.7 6921.8,7988.46 6921.8,8009.46 ; L16.2@6861.54,8070.85 6920.54,8070.85 C184.1@6921.8,8072.11 ; C184.1@6925.54,8075.85 C184.1@6921.8,8072.11 ; C175.1@6964.54,7253.85 6966.04,7252.35 C173.1@7164.04,7252.35 7165.04,7251.35 C177.1@7205.04,7251.35 7243.69,7251.35 7297.8,7305.46 7464.8,7305.46 7486.54,7327.2 7486.54,7621.85 C178.1@7484.04,7624.35 7486.54,7626.85 C172.1@7486.54,7828.35 7486.3,7828.59 7486.3,7949.46 7422.8,8012.96 7259.65,8012.96 C176.1@7259.54,8012.85 7068.04,8012.85 C174.1@7067.54,8013.35 7063.65,8009.46 6921.8,8009.46 ; 6921.8,8009.46 C184.1@6921.8,8072.11
3V3_AVCC: C157.1 C158.1 C159.1 C160.1 C161.1 C162.1 C183.1 L18.2 U13.47 U13.49 U13.53 U13.57 U13.61 | length 1052.9
  TOP w8: U13.61@6879.36,7434.47 6920.79,7434.47 v1(6924.8,7430.46) ; U13.57@6879.36,7497.46 v1(6917.48,7497.46) ; U13.53@6879.36,7560.45 v1(6919.79,7560.45) ; U13.49@6879.36,7623.45 v1(6917.81,7623.45) ; U13.47@6879.36,7654.94 v1(6918.78,7654.94)
  BOTTOM w15: v1(6917.48,7497.46) 6918.98,7498.96 C159.1@6943.8,7498.96 ; v1(6917.81,7623.45) 6925.3,7615.96 C158.1@6944.3,7615.96 ; v1@6918.8,7654.96 C161.1@6943.3,7654.96 ; v1(6919.79,7560.45) 6920.89,7559.35 C162.1@6945.54,7559.35 ; v1(6924.8,7430.46) 6943.8,7449.46 C160.1@6943.8,7459.46
  BOTTOM w20: L18.2@6712.04,8013.85 6712.04,7939.35 C183.1@6709.04,7936.35 6709.04,7879.72 C157.1@6712.8,7875.96 6712.8,7816.09 6795.93,7732.96 6882.8,7732.96 6943.3,7672.46 C161.1@6943.3,7654.96 6943.3,7616.96 C158.1@6944.3,7615.96 6944.3,7560.59 C162.1@6945.54,7559.35 6944.3,7558.11 6944.3,7499.46 C159.1@6943.8,7498.96 C160.1@6943.8,7459.46